# Altium PCB ChipTestBoardQFN32-r2.PcbDoc (continued)
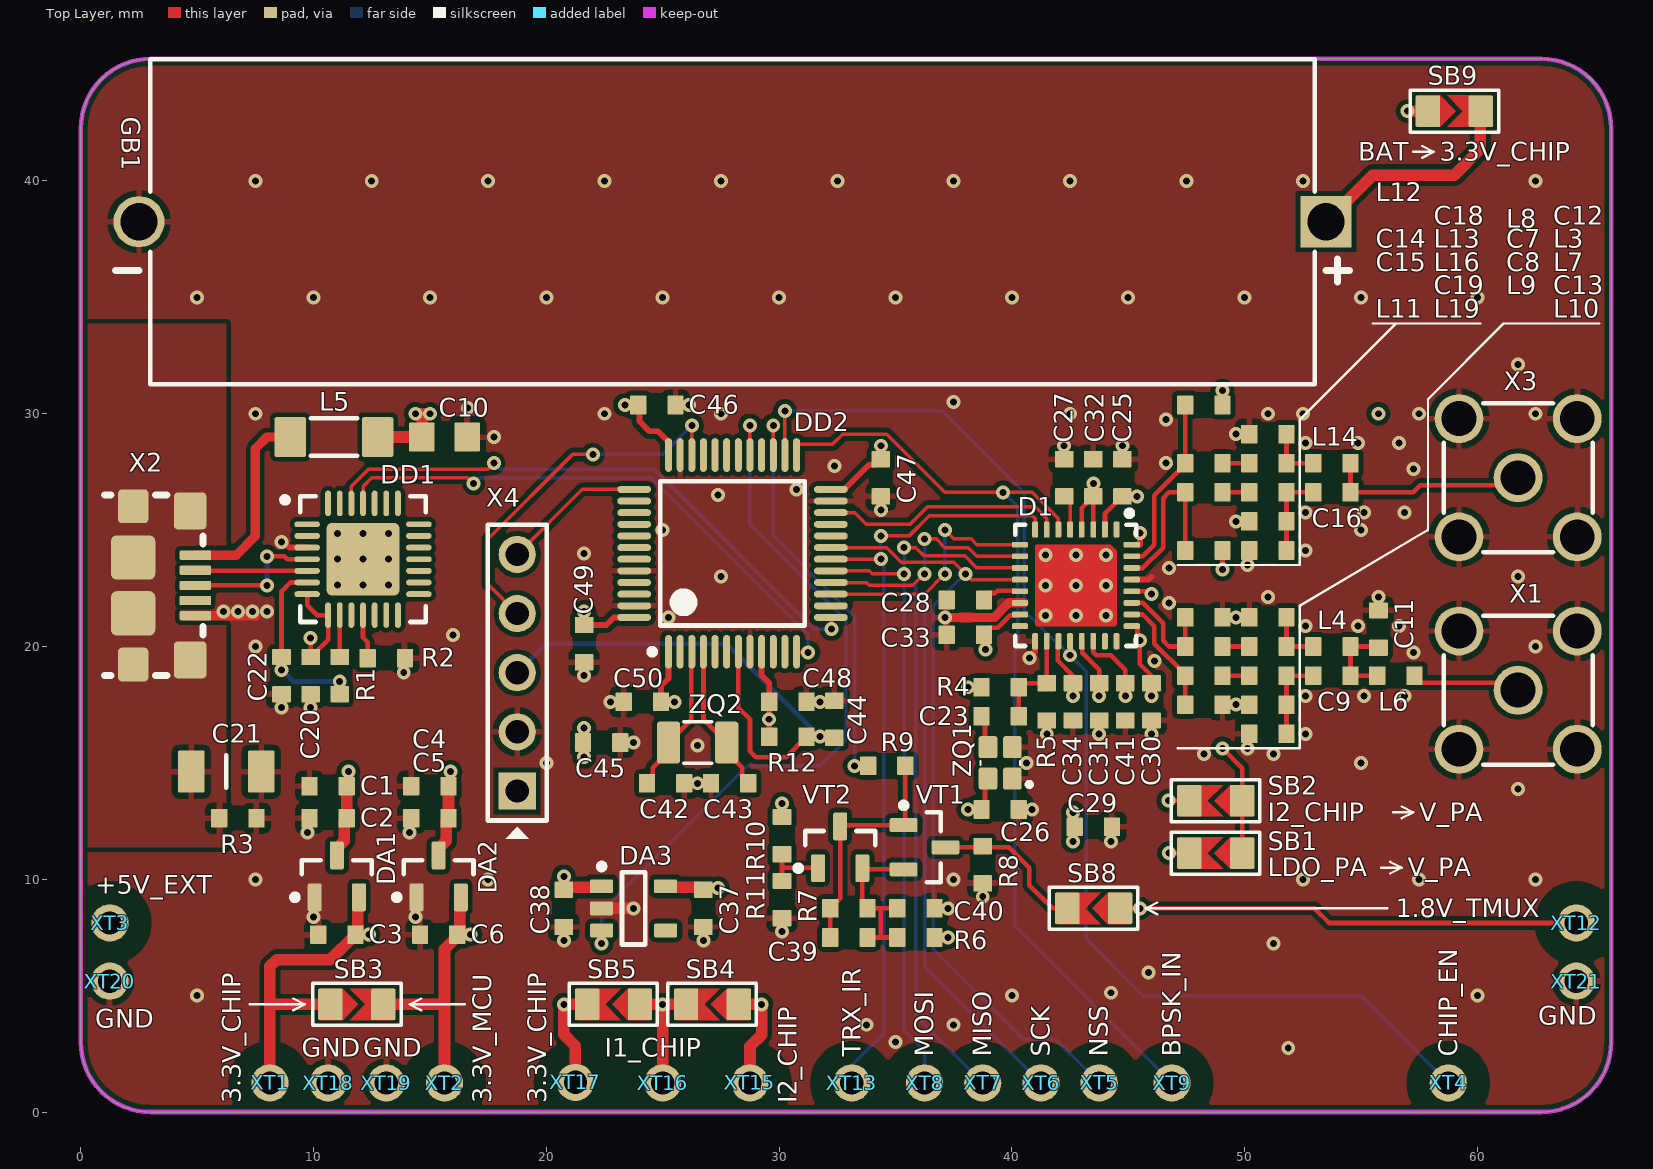
[diagram p0: Top Layer view]
## Footprints (in the part's own frame and the unit in brackets; to place one, negate y for a bottom-side part, rotate by r counter-clockwise, add the part's x,y. Pads: shape width x height; smd on the part's side, far side on the other; paste and mask are expansions set on the pad)
5-1814832-1 [mm]
  round 2.1 hole 1.5: 1(0,0) 2(-2.54,-2.54) 2(-2.54,2.54) 2(2.54,-2.54) 2(2.54,2.54)
  silkscreen extent -3.2,-3.2 3.2,3.2, body extent -3.2,-3.2 3.2,3.2, height 9.55
1981568-1 [mm]
  rrect25% 0.4x1.35 smd: 1(-1.3,2.675) 2(-0.65,2.675) 3(0,2.675) 4(0.65,2.675) 5(1.3,2.675)
  rrect25% 1.45x1.3 smd: 6(-3.4,0) 9(3.4,0)
  rrect25% 1.6x1.4 smd: 7(-3.2,2.45) 8(3.2,2.45)
  rrect25% 1.9x1.9 smd: 10(1.2,0) 11(-1.2,0)
  silkscreen extent -3.88,-1.22 3.88,3, body extent -4,-2.8 4,2.8, height 2.79
BAT14505-Board [mm] "Battery 14505 Board Mount"
  rect 2.2x2.2 hole 1.6: 1(-25.5,0)
  round 2.2 hole 1.6: 2(25.5,0)
  silkscreen extent -26.5,-6.98 26.5,6.98, body extent -25.02,-6.98 25.02,6.98
C0603 [mm] "Chip Capacitor 0603"
  rrect10% 0.7x0.8 smd: 1(-0.8,0) 2(0.8,0)
  Top Layer pour cut-out: -0.4,0.5 0.4,0.5 0.4,-0.5 -0.4,-0.5
  body extent -0.8,-0.4 0.8,0.4, height 0.8
C0805 [mm] "Chip Capacitor 0805"
  rrect10% 1.1x1.25 smd: 1(-0.975,0) 2(0.975,0)
  Top Layer pour cut-out: -0.4,0.7 0.4,0.7 0.4,-0.7 -0.4,-0.7
  body extent -1,-0.62 1,0.62, height 1
C1206 [mm] "Chip Capacitor, 2-Leads, Body 3,20x1,60mm, IPC Low Density"
  rrect10% 1.15x1.8 smd: 1(-1.5,0) 2(1.5,0)
  silkscreen extent 0,-0.7 0,0.7, body extent -1.7,-0.9 1.7,0.9, height 1.25
L0603_LQW [mm] "Chip Inductor 0603"
  rrect10% 0.7x0.8 smd: 1(-0.8,0) 2(0.8,0)
  Top Layer pour cut-out: -0.35,0.55 0.35,0.55 0.35,-0.55 -0.35,-0.55
  body extent -0.87,-0.54 0.88,0.55, height 0.93
L1806 [mm]
  rrect10% 1.35x1.7 smd: 1(-1.875,0) 2(1.875,0)
  silkscreen extent -1,-0.8 1,0.8, body extent -2.25,-0.8 2.25,0.8, height 1.58
LQFP48_L [mm] "TSQFP, 48-Leads, Body 7,00x7,00mm, Pitch 0,50mm, IPC Medium Density"
  oval 1.45x0.3 smd: 1(-4.225,2.75) 2(-4.225,2.25) 3(-4.225,1.75) 4(-4.225,1.25) 5(-4.225,0.75) 6(-4.225,0.25) 7(-4.225,-0.25) 8(-4.225,-0.75) 9(-4.225,-1.25) 10(-4.225,-1.75) 11(-4.225,-2.25) 12(-4.225,-2.75) 25(4.225,-2.75) 26(4.225,-2.25) 27(4.225,-1.75) 28(4.225,-1.25) 29(4.225,-0.75) 30(4.225,-0.25) 31(4.225,0.25) 32(4.225,0.75) 33(4.225,1.25) 34(4.225,1.75) 35(4.225,2.25) 36(4.225,2.75)
  oval 0.3x1.45 smd: 13(-2.75,-4.225) 14(-2.25,-4.225) 15(-1.75,-4.225) 16(-1.25,-4.225) 17(-0.75,-4.225) 18(-0.25,-4.225) 19(0.25,-4.225) 20(0.75,-4.225) 21(1.25,-4.225) 22(1.75,-4.225) 23(2.25,-4.225) 24(2.75,-4.225) 37(2.75,4.225) 38(2.25,4.225) 39(1.75,4.225) 40(1.25,4.225) 41(0.75,4.225) 42(0.25,4.225) 43(-0.25,4.225) 44(-0.75,4.225) 45(-1.25,4.225) 46(-1.75,4.225) 47(-2.25,4.225) 48(-2.75,4.225)
  silkscreen extent -4.35,-3.1 3.1,3.57, body extent -4.5,-4.5 4.5,4.5, height 1.6
PAD-d1.0-x1.6-y1.6 [mm]
  round 1.6 hole 1: 1(0,0)
PLS-5-2.54-PCB [mm] "Lead spase 2.54, 5-pin"
  rect 1.6x1.6 hole 1: 1(-5.08,0)
  round 1.6 hole 1: 2(-2.54,0) 3(0,0) 4(2.54,0) 5(5.08,0)
  silkscreen extent -7.12,-1.27 6.35,1.27, body extent -6.35,-1.27 6.35,1.27, height 8.54
QFN28 [mm] "QFN, 28-Leads, Body 5,00x5,00mm, Pitch 0,50mm, Thermal Pad 3,13x3,13mm, IPC Medium Density"
  oval 1.1x0.25 smd: 1(-2.4,1.5) 2(-2.4,1) 3(-2.4,0.5) 4(-2.4,0) 5(-2.4,-0.5) 6(-2.4,-1) 7(-2.4,-1.5) 15(2.4,-1.5) 16(2.4,-1) 17(2.4,-0.5) 18(2.4,0) 19(2.4,0.5) 20(2.4,1) 21(2.4,1.5)
  oval 0.25x1.1 smd: 8(-1.5,-2.4) 9(-1,-2.4) 10(-0.5,-2.4) 11(0,-2.4) 12(0.5,-2.4) 13(1,-2.4) 14(1.5,-2.4) 22(1.5,2.4) 23(1,2.4) 24(0.5,2.4) 25(0,2.4) 26(-0.5,2.4) 27(-1,2.4) 28(-1.5,2.4)
  rrect15% 3.13x3.13 smd: 29(0,0)
  silkscreen extent -3.47,-2.7 2.7,2.7, body extent -2.6,-2.6 2.6,2.6, height 1
QFN32 [mm]
  rrect50% 0.7x0.25 smd: 1(-2.4,1.75) 2(-2.4,1.25) 3(-2.4,0.75) 4(-2.4,0.25) 5(-2.4,-0.25) 6(-2.4,-0.75) 7(-2.4,-1.25) 8(-2.4,-1.75) 17(2.4,-1.75) 18(2.4,-1.25) 19(2.4,-0.75) 20(2.4,-0.25) 21(2.4,0.25) 22(2.4,0.75) 23(2.4,1.25) 24(2.4,1.75)
  rrect50% 0.25x0.7 smd: 9(-1.75,-2.4) 10(-1.25,-2.4) 11(-0.75,-2.4) 12(-0.25,-2.4) 13(0.25,-2.4) 14(0.75,-2.4) 15(1.25,-2.4) 16(1.75,-2.4) 25(1.75,2.4) 26(1.25,2.4) 27(0.75,2.4) 28(0.25,2.4) 29(-0.25,2.4) 30(-0.75,2.4) 31(-1.25,2.4) 32(-1.75,2.4)
  round 0.6 hole 0.3: 33(0,0)
  Top Layer region: -1.75,1.5 -1.5,1.75 1.7,1.75 1.75,1.7 1.75,-1.7 1.7,-1.75 -1.7,-1.75 -1.75,-1.7
  Top Layer pour cut-out: -1.875,1.875 -1.875,-1.875 1.875,-1.875 1.875,1.875
  silkscreen extent -3.22,-2.6 2.6,2.6, body extent -2.5,-2.5 2.5,2.5, height 0.94
QSMD2.0x1.6x0.7 [mm]
  rrect25% 0.95x0.8 smd: 1(-0.675,-0.525) 2(0.675,-0.525) 3(0.675,0.525) 4(-0.675,0.525)
  silkscreen extent -1.02,-1.35 0.08,0.85, body extent -1.05,-0.85 1.05,0.85, height 0.56
QSMD3.2X1.5X0.8 [mm]
  rrect25% 1x1.8 smd: 1(-1.25,0) 3(1.25,0)
  silkscreen extent -0.6,-0.9 0.6,0.9, body extent -1.6,-0.75 1.6,0.75, height 0.71
R0603 [mm] "Chip Resistor 0603"
  rrect10% 0.7x0.8 smd: 1(-0.8,0) 2(0.8,0)
  Top Layer pour cut-out: -0.35,0.55 0.35,0.55 0.35,-0.55 -0.35,-0.55
  body extent -0.8,-0.4 0.8,0.4, height 0.46
SB0805 [mm] "Solder Jumper 0805"
  rrect10% 1.05x1.35 smd: 1(-1.15,0) 2(1.125,0)
  Top Layer region: -1.6,0.675 -0.625,0.675 0.05,0 -0.625,-0.675 -1.6,-0.675
  Top Layer region: 1.55,0.675 -0.325,0.675 0.35,0 -0.325,-0.675 1.55,-0.675
  silkscreen extent -1.9,-0.9 1.9,0.9
SOT23-3L [mm] "SOT23, 3-Leads, Body 2.9x1.3mm, Pitch 0.95mm, Lead Span 2.5mm, IPC High Density"
  rrect25% 0.6x1.2 smd: 1(-0.95,-0.9) 2(0.95,-0.9) 3(0,0.9)
  silkscreen extent -1.92,-1.02 1.5,0.7, body extent -1.45,-1.4 1.45,1.4, height 1.3
SOT23-5 [mm] "SOT23, 5-Leads, Body 2,90x2,80mm, Pitch 0,95mm, IPC Medium Density"
  rrect25% 0.6x1 smd: 1(-0.95,-1.375) 2(0,-1.375) 3(0.95,-1.375) 4(0.95,1.375) 5(-0.95,1.375)
  silkscreen extent -1.92,-1.5 1.55,0.5, body extent -1.53,-1.5 1.52,1.5, height 1.45

## Part data
C1 C4 C37 C38: library part CC0603KRX7R7BB105, "CERCAP 1/16V 0603 KX7R", PartNumber=CC0603KRX7R7BB105
C2 C3 C5 C6 C20 C22 C25 C26 C27 C28 C30 C31 C32 C33 C34 C39 C40 C46 C47 C48 C49 C50: library part CC0603KRX7R7BB104, "CERCAP 0.1/16V 0603 KX7R", PartNumber=CC0603KRX7R7BB104
C7 C8 C9 C16: library part CC0603BRNPO9BN2R7, "CERCAP 2.7p/50V 0603 BNPO", PartNumber=CC0603BRNPO9BN2R7
C10: library part CL21A106KPFNNNG, "10µF ±10% 10V Ceramic Capacitor X5R 0805 (2012 Metric)", PartNumber=CL21A106KPFNNNG
C11: library part CC0603CRNPO9BN5R1, "5.1pF ±0.25pF 50V Ceramic Capacitor C0G, NP0 0603 (1608 Metric)", PartNumber=CC0603CRNPO9BN5R1
C12 C18: library part CC0603BRNPO9BN6R2, "CERCAP 6.2p/50V 0603 BNPO", PartNumber=CC0603BRNPO9BN6R2
C13 C19: library part CC0603BRNPO9BN3R6, "CERCAP 3.6p/50V 0603 BNPO", PartNumber=CC0603BRNPO9BN3R6
C14 C15: library part CC0603JRNPO9BN101, "CERCAP 100p/50V 0603 JX7R", PartNumber=CC0603JRNPO9BN101
C21: library part CC1206KKX7RCBB103, "CAP CER 10000PF 1KV X7R 1206", PartNumber=CC1206KKX7RCBB103
C23 C41: library part CC0603JRNPO9BN102, "CERCAP 1000p/50V 0603 JNPO", PartNumber=CC0603JRNPO9BN102
C29 C45: library part CC0603KRX5R6BB475, "CERCAP 4.7/10V 0603 KX5R", PartNumber=CC0603KRX5R6BB475
C42 C43: library part CC0603CRNPO9BN7R5, "CAP CER 7.5PF 50V NPO 0603", PartNumber=CC0603CRNPO9BN7R5
C44: library part CC0603KRX7R9BB103, "CAP CER 10000PF 50V X7R 0603", PartNumber=CC0603KRX7R9BB103
D1: "Waviot NB-Fi RF Transceiver QFN32", PartNumber="SWS1470-A0 QFN32"
DA1 DA2: "IC REG LINEAR 3.3V 300MA SOT23-3", PartNumber=AP2210N-3.3TRG1
DA3: "LDO Voltage Regulators 1.8V 80mA CMOS LDO w/Enable", PartNumber=AP2127K-1.8TRG1
DD1: "IC USB-TO-UART BRIDGE 28VQFN", PartNumber=CP2102-GMR
DD2: "ARM Microcontrollers - MCU Ultra-low-power ARM Cortex-M0+ MCU with 64/192-Kbytes Flash, 32 MHz CPU", PartNumber=STM32L071CBT6
GB1: library part CR14505BL-AX, "Lithium Battery CR14505 3.0V 2000mAh -30..75C", PartNumber=CR14505BL-AX
L3 L7 L8 L9: library part LQW18AN18NG00D, "FIXED IND 18NH 550MA 160 MOHM", PartNumber=LQW18AN18NG00D
L4 L10 L13 L14 L16 L19: library part LQW18AN12NG00D, "FIXED IND 12NH 600MA 130 MOHM", PartNumber=LQW18AN12NG00D
L5: library part FBMJ4516HS111-T, "FERRITE BEAD 110 OHM 1806 1LN", PartNumber=FBMJ4516HS111-T
L6: library part LQW18AN6N8C00D, "FIXED IND 6.8NH 750MA 82 MOHM", PartNumber=LQW18AN6N8C00D
L11 L12: library part LQW18AN82NG00D, "FIXED IND 82NH 250MA 600 MOHM", PartNumber=LQW18AN82NG00D
R1 R2 R11 R12: library part RC0603FR-0710KL, "RES 0603 10K 1%", PartNumber=RC0603FR-0710KL
R3 R4 R5: library part RC0603FR-071ML, "1 MOhms ±1% 0.1W, 1/10W Chip Resistor 0603 (1608 Metric) Moisture Resistant Thick Film", PartNumber=RC0603FR-071ML
R6: library part RC0603FR-0710RL, "RES SMD 10 OHM 1% 1/10W 0603", PartNumber=RC0603FR-0710RL
R7: library part RC0603FR-07100KL, "100 kOhms ±1% 0.1W, 1/10W Chip Resistor 0603 (1608 Metric) Moisture Resistant Thick Film", PartNumber=RC0603FR-07100KL
R8: library part RC0603FR-071KL, "RES 0603 1K 1%", PartNumber=RC0603FR-071KL
R9: library part RC0603JR-074K3L, "RES 0603 4.3K 5%", PartNumber=RC0603JR-074K3L
R10: library part RC0603FR-0715KL, "RES 0603 15K 1%", PartNumber=RC0603FR-0715KL
SB1 SB2 SB3 SB4 SB5 SB8 SB9: library part JS_0805, "Jumper Solder 0805"
VT1: "MOSFET MOSFT PCh -20V -2.6A 135mOhm -2.5V cpbl", PartNumber=IRLML2246TRPBF
VT2: "TRANS PNP 60V 0.6A SOT23", PartNumber=MMBT2907ALT1G
X1 X3: "CONN SMA JACK STR 50 OHM PCB", PartNumber=5-1814832-1
X2: "CONN RCPT USB2.0 MICRO B SMD R/A", PartNumber=1981568-1
X4: "PLS-5-2.54", PartNumber=PLS-5
XT1 XT2 XT3 XT4 XT5 XT6 XT7 XT8 XT9 XT12 XT13 XT15 XT16 XT17 XT18 XT19 XT20 XT21: library part PIN
ZQ1: library part NT2016SA-26.000000MHZ-NBG2, "TCXO Oscillator 4-pin", PartNumber=NT2016SA-26.000000MHZ-NBG2
ZQ2: library part "KX-327NHT 32.768 kHz", "Crystals 32.768KHz 12.5pF -40C +85C", PartNumber="KX-327NHT 32.768 kHz"

## Via types
v1: diameter 0.6, hole 0.3, Top Layer to Bottom Layer, tented both sides, 203 vias
v2: diameter 0.6, hole 0.3, Top Layer to Bottom Layer, tented bottom, 17 vias

## Nets (pads, with @x,y where several pads share a name; then routed paths per layer and width w, separated by ;. In a path a pad name is that pad's centre, name@x,y a point inside that pad or via, vN(x,y) a via of type N, cw(c..) or ccw(c..) an arc to the next point about the centre after c; other vN are vias at no path point)
1.8V_TCXO: C26.2 C37.2 DA3.5 R6.2 ZQ1.4 | length 18.7
  Top Layer w0.2: C26.2 38.845,13.145 38.845,14.195 ZQ1.4
  Top Layer w0.5: DA3.5 25.175,9.65 26.6,9.65 C37.2@26.75,9.5
  Layer 2 w0.5: v1(27.375,9.625) 36.375,9.625 ; v1(37.25,7.5) 36.375,8.375 36.375,9.625 ; v1(38.125,13) 36.375,11.25 36.375,9.625
1.8V_TMUX: C41.1 D1.22 SB8.1 XT12.1 | length 32
  Top Layer w0.2: D1.22 43.5,19.75 43.625,19.625 44.25,19.625 44.875,19 C41.1 ; SB8.1@44.625,8.75 v1(45.5,8.75) 53,8.75 53.625,8.125 XT12.1
  Layer 2 w0.2: v1(44.875,17.875) 44.875,9.375 v1(45.5,8.75)
3.3V_CHIP: C3.2 DA1.2 SB3.1 SB5.2 SB9.1 XT1.1 XT17.1 | length 95.9
  Top Layer w0.5: XT1.1 8.125,4.625 ; SB3.1 8.125,4.625 ; C3.2 10.725,6.55 8.418,6.55 8.125,6.257 8.125,4.625 ; C3.2@11.9,7.65 11.9,9.175 DA1.2 ; v1@12.375,7.575 v1(12.375,7.625) ; XT17.1@21.25,1.25 XT17.1 21.25,2.836 20.75,3.336 v1(20.75,4.625) SB5.2 ; v1(57,43) SB9.1@58,43
  Layer 2 w0.5: v1(20.75,4.625) 15.375,4.625 v1(12.375,7.625) 16.875,12.125 16.875,25.625 34.25,43 v1(57,43)
3.3V_MCU: C6.2 C45.2 C46.2 C47.2 C48.2 C49.2 C50.2 DA2.2 DD2.1 DD2.9 DD2.24 DD2.36 DD2.48 R12.2 SB3.2 X4.1 XT2.1 | length 73
  Top Layer w0.25: C49.2 22.575,20.925 22.9,21.25 DD2.48 ; C46.2@24,30.375 24,29.675 24.428,29.247 24.803,29.247 25.25,28.8 DD2.36 ; C50.2 24.925,18.3 25.25,18.625 DD2.1 ; DD2.9 29.25,18.75 29.575,18.425 C48.2 R12.2 ; DD2.24 32.8,26.75 33.85,27.8 34.075,27.8 34.375,28.1 C47.2@34.375,28.125
  Top Layer w0.5: SB3.2@12.75,4.625 15.625,4.625 ; XT2.1 15.625,4.625 ; C6.2@16.275,7.775 16.275,9.175 DA2.2 ; v1(16.75,7.625) 16.225,7.625 16.075,7.475 16.075,7.45 15.625,7 15.625,4.625
  Layer 2 w0.5: v1(16.75,7.625) 21.625,12.5 21.625,13.5 ; X4.1 21.58,13.795 21.625,13.75 v1(21.625,15.25) ; v1(21.625,16.5) 21.625,16.875 ; v1(21.625,21.5) 22.5,21.5 ; v1(23.375,30.375) 23.375,28.625 ; v1(25.5,17.625) 25.5,16.875 ; v1@29.625,16.875 25.5,16.875 ; v1(34.375,28.625) 23.375,28.625 ; 21.625,16.875 25.5,16.875 ; 21.625,16.875 21.625,17.625 22.5,18.5 22.5,21.5 ; 22.5,21.5 22.5,27.75 23.375,28.625
  other v1: 29.575,16.875
+5V: C1.2 C2.2 C4.2 C5.2 C10.2 C20.2 DA1.3 DA2.3 DD1.7 DD1.8 L5.2 XT3.1 | length 50.9
  Top Layer w0.2: DD1.7 9.725,21.775 10.15,21.35 DD1.8 10.625,20.3 C20.2 v1(9.875,20.375)
  Top Layer w0.5: DA1.3@11,11.125 11,11.325 11.325,11.65 11.325,12.525 C2.2 ; C2.2@11.375,12.625 11.425,12.675 C1.2 ; L5.2 C10.2@14.625,29 ; C10.2 14.669,29.019 v1@14.669,30 ; DA2.3@15.375,10.875 15.375,11.325 15.7,11.65 15.7,12.525 C5.2 ; C5.2@15.75,12.625 15.8,12.675 C4.2
  Layer 2 w0.5: XT3.1 7.75,14.625 v1(11.5,14.625) 14.669,14.625 ; v1(9.875,20.375) 14.625,20.375 ; v1@14.375,29.973 v1(14.375,30) ; 14.669,29.679 14.669,14.625 ; v1(15.875,14.625) 14.669,14.625
  other v1: 15,30
BACKLIGHT: DD2.10
BPSK: D1.6 DD2.25 XT9.1 | length 42.3
  Top Layer w0.15: DD2.25 30.75,28.654 30.796,28.7 32.314,28.7 32.738,29.125 34.625,29.125 37.125,26.625 v1(39.625,26.625) 40.875,26.625 42,25.5 D1.6
  Bottom Layer w0.15: v1(39.625,26.625) 40.25,26 40.25,19.95 40.125,19.825 40.125,8 XT9.1
CHIP_EN: D1.20 DD2.26 XT4.1 | length 52.1
  Top Layer w0.15: DD2.26 v1(30.25,30.125)
  Bottom Layer w0.15: v1(30.25,30.125) 37.014,30.125 40.525,26.614 40.525,21.543 41.818,20.25 41.875,20.25 v1(42.5,19.625) 43.188,18.937 43.188,7.437 45.625,5 55,5 XT4.1
DFT_EN: D1.7 DD2.22 | length 10.5
  Top Layer w0.15: DD2.22 33.25,25.75 33.75,25.25 35.625,25.25 36.375,26 41,26 41.5,25.5 D1.7 D1.7@41.5,25
EARTH: C21.1 R3.2 X2.6 X2.7 X2.8 X2.9 X2.10 X2.11
GND: C1.1 C2.1 C3.1 C4.1 C5.1 C6.1 C10.1 C11.1 C12.2 C13.2 C18.2 C19.2 C20.1 C21.2 C22.1 C25.1 C26.1 C27.1 C28.1 C29.1 C30.1 C31.1 C32.1 C33.1 C34.1 C37.1 C38.1 C40.1 C41.2 C42.1 C43.1 C44.1 C45.1 C46.1 C47.1 C48.1 C49.1 C50.1 D1.14 D1.17 D1.29 D1.32 D1.33 DA1.1 DA2.1 DA3.2 DD1.3 DD1.29 DD2.8 DD2.23 DD2.35 DD2.44 DD2.47 GB1.2 L8.1 L9.1 L10.1 L19.1 R2.1 R3.1 R5.1 R8.1 R11.1 X1.2 X2.5 X3.2 X4.2 XT18.1 XT19.1 XT20.1 XT21.1 ZQ1.1 ZQ1.2 | length 11.5
  Top Layer w0.25: v1(8.625,24.5) 8.72,24.5 8.97,24.25 DD1.3 ; v1(40.75,19.5) 40.75,19.571 41,19.821 D1.17 ; D1.29 45.5,22.875 45.875,22.875 46,23 ; D1.32@45.2,24.375 45.5,24.375 v1(45.5,24.875)
  Top Layer w0.4: X2.5 7.473,21.325 v1@7.5,21.298 ; v1@37.162,21.288 v1(37.125,21.25) 39.239,21.25 39.864,21.875 D1.14 D1.14@40.525,21.875 ; C28.1@37.162,21.963 C28.1
  Top Layer w0.5: DA3.2 v1(23.75,8.75)
  other v1: 51.875,2.75 35,3 33.75,3.75 37.5,3.75 5,5 40,5 60,5 44.25,5.125 45.875,6 51.25,7.25 20.75,7.375 26.75,7.375 30.125,7.75 10,8.375 14.375,8.375 37.25,8.75 38.75,9.25 7.5,10 17.5,10 37.5,10 52.5,10 57.5,10 62.5,10 44.25,11.625 9.75,12 14.125,12 40.875,13 61.75,13.875 26.5,14.125 20,15 40.625,15 55,15 48.25,15.375 51.25,15.375 50.125,15.625 26.5,15.75 23.75,15.875 41.5,16.25 43.75,16.25 46,16.25 52.625,16.25 8.625,17.375 9.875,17.375 49.625,17.5 22.75,17.625 31.75,17.625 52.625,17.875 55.125,17.875 56.875,17.875 21.625,18.75 13.875,18.875 46.125,19.375 57.25,19.75 7.5,20 62.5,20 16,20.5 52.625,20.875 54.875,20.875 56.625,20.875 25.25,21.25 49.625,21.25 6.125,21.5 6.75,21.5 7.375,21.5 8,21.5 46.75,21.875 51,22.125 55.75,22.125 27.5,23 61.75,23 46.75,23.375 50.125,23.5 21.625,24 52.625,24.125 25,25 55,25 49.625,25.375 52.625,25.75 55.125,25.75 56.875,25.75 34.375,25.875 27.375,26.5 30.75,26.75 57.25,27.625 32.375,27.75 46.625,27.875 42.25,28.625 44.75,28.625 52.625,28.75 54.875,28.75 56.625,28.75 17.75,29 49.625,29.125 46.625,29.75 7.5,30 22.5,30 27.5,30 42.5,30 51,30 52.5,30 57.5,30 62.5,30 16.625,30.25 26.125,30.375 37.5,30.5 61.75,32.125 5,35 10,35 15,35 20,35 25,35 30,35 35,35 40,35 45,35 50,35 55,35 60,35 7.5,40 12.5,40 17.5,40 22.5,40 27.5,40 32.5,40 37.5,40 42.5,40 47.5,40 52.5,40 62.5,40
  other v2: 41.45,21.325 42.75,21.325 44.05,21.325 41.45,22.625 44.05,22.625 11.025,22.65 12.125,22.65 13.225,22.65 11.025,23.75 12.125,23.75 13.225,23.75 41.45,23.925 42.75,23.925 44.05,23.925 11.025,24.85 12.125,24.85 13.225,24.85
I1_CHIP: C38.2 DA3.1 R4.2 R10.2 SB4.2 SB5.1 XT16.1 | length 33.9
  Top Layer w0.2: v1(38.125,18.25) R4.2
  Top Layer w0.5: C38.2@20.75,9.625 20.775,9.65 22.325,9.65 DA3.1 ; SB5.1 v1(25,4.625) ; XT16.1 v1(25,4.625) ; SB4.2@26.125,4.625 SB4.2 v1(25,4.625)
  Layer 2 w0.5: v1(20.75,10.125) 25,10.125 ; v1(25,4.625) 25,10.125 ; v1(38.125,18.25) 35.125,18.25 v1(30.125,13.25) 28.125,13.25 25,10.125
I2_CHIP: C29.2 C30.2 C31.2 C32.2 C33.2 C34.2 D1.3 D1.4 D1.15 D1.19 D1.21 D1.25 D1.28 SB2.2 SB4.1 XT15.1 | length 66.8
  Top Layer w0.2: C33.2 38.8,20.55 39.05,20.8 39.39,20.8 39.94,21.35 40.35,21.35 D1.15@40.375,21.375 ; D1.19 41.975,20.2 41.975,19.4 42.625,18.75 C34.2 ; D1.21@43,20.25 43.025,20.225 43.025,19.725 43.75,19 C31.2 ; D1.4 43,25.95 43.2,26.15 43.2,26.2 43.45,26.45 C32.2 ; D1.3 C32.2 ; C32.2@43.6,26.45 43.55,26.45 C32.2 ; D1.25 45.375,20.875 45.4,20.85 45.4,20.458 45.5,20.358 v1(45.5,20.25) 45.5,19.25 46,18.75 C30.2@46,18.375 ; D1.28 v1@46,22.375 ; v1(46.725,13.375) SB2.2
  Top Layer w0.5: SB4.1 v1(29.25,4.625) 29.25,3.323 28.75,2.823 XT15.1
  Layer 2 w0.2: v1(45.5,20.25) 46,20.75 v1(46,22.25) ; v1(46,17.875) 46.725,17.15 v1(46.725,13.375)
  Layer 2 w0.5: v1(29.25,4.625) 37.125,4.625 42.625,10.125 v1@42.625,11.5 ; v1@42.625,12.75 v1(42.625,12.875) v1(42.625,17.875) ; v1(43.5,27) 42,27 38.875,23.875 v1(38.875,19.875) 38.875,19 40,17.875 v1(42.625,17.875) ; v1(46,17.875) 45.25,18.625 44.5,18.625 v1(43.75,17.875) v1(42.625,17.875)
  other v1: 42.625,11.625
LCD_A0: DD2.20
LCD_CS: DD2.40
LCD_MOSI: DD2.39
LCD_PWR: DD2.6
LCD_RESET: DD2.42
LCD_SCK: DD2.41
LDO_PA: C25.2 D1.2 SB1.2 | length 19.9
  Top Layer w0.2: D1.2 44,25.7 C25.2 v1(45.375,26.45) v1@45.5,26.45 ; v1(46.75,11.125) SB1.2@47.75,11.125
  Layer 2 w0.2: v1(45.375,26.45) 47.375,24.45 47.375,11.75 v1(46.75,11.125)
NetC7_1: C7.1 D1.27 L8.2 | length 4.8
  Top Layer w0.2: D1.27 45.625,21.875 46.5,21 46.5,20.25 46.75,20 C7.1 L8.2
NetC7_2: C7.2 L3.1 | length 1.1
  Top Layer w0.2: C7.2 L3.1
NetC8_1: C8.1 D1.26 L9.2 | length 5.1
  Top Layer w0.2: D1.26 45.625,21.375 46.125,20.875 46.125,20.125 47.45,18.8 C8.1 L9.2
NetC8_2: C8.2 L7.1 | length 1.1
  Top Layer w0.2: C8.2 L7.1
NetC9_1: C9.1 C13.1 L7.2 L10.2 | length 3.7
  Top Layer w0.2: L10.2 C13.1 L7.2 C9.1
NetC9_2: C9.2 C11.2 L4.2 L6.1 | length 3.6
  Top Layer w0.2: L4.2@54.55,19.95 C9.2 L6.1@55.75,18.75 ; L4.2 C11.2@55.75,20
NetC12_1: C12.1 L3.2 L4.1 | length 2.4
  Top Layer w0.2: C12.1 L3.2 L4.1
NetC14_1: C14.1 D1.31 L12.1 | length 7.7
  Top Layer w0.2: D1.31 45.625,23.875 46.125,24.375 46.125,26.5 47.45,27.825 C14.1 L12.1
NetC14_2: C14.2 L13.1 | length 1.1
  Top Layer w0.2: C14.2 L13.1
NetC15_1: C15.1 D1.30 L11.1 | length 7.4
  Top Layer w0.2: D1.30 45.625,23.375 46.5,24.25 ; 46.5,24.25 46.5,26.375 46.75,26.625 47.1,26.625 C15.1 L11.1
NetC15_2: C15.2 L16.1 | length 1.1
  Top Layer w0.2: C15.2 L16.1
NetC16_1: C16.1 C19.1 L16.2 L19.2 | length 3.6
  Top Layer w0.2: L19.2 C19.1 L16.2 C16.1
NetC16_2: C16.2 L14.2 X3.1 | length 8.7
  Top Layer w0.2: C16.2@54.5,26.625 54.55,26.675 L14.2 ; C16.2 57.25,26.625 57.55,26.925 61.425,26.925 X3.1
NetC18_1: C18.1 L13.2 L14.1 | length 2.4
  Top Layer w0.2: C18.1 L13.2 L14.1
NetC23_1: C23.1 D1.18 R4.1 R5.2 | length 4.4
  Top Layer w0.2: C23.1 40.3,18.175 R4.1@40.375,18.25 ; R4.1 40.475,18.425 R5.2 D1.18
NetC23_2: C23.2 ZQ1.3 | length 1.4
  Top Layer w0.2: C23.2 38.845,16.855 38.845,15.805 ZQ1.3
NetC27_2: C27.2 D1.5 | length 1.5
  Top Layer w0.15: C27.2 42.5,26.2 D1.5
NetC28_2: C28.2 D1.13 | length 1.8
  Top Layer w0.2: C28.2@38.675,22 C28.2@38.675,22.05 ; C28.2@38.8,22.05 39.05,22.3 39.283,22.3 39.383,22.4 40.35,22.4 D1.13@40.375,22.375
NetC39_1: C39.1 R7.1 R9.2 VT1.1 VT2.3 | length 10.4
  Top Layer w0.2: C39.1@32.125,7.375 32.2,7.45 R7.1 32.625,9.175 32.625,12.25 32.7,12.325 VT1.1 ; VT1.1@35.375,12.375 35.425,12.425 R9.2
NetC39_2: C39.2 C40.2 R6.1 R7.2 VT1.2 VT2.2 | length 7.6
  Top Layer w0.2: VT2.2 VT2.2@33.58,10.47 ; C39.2 34.375,7.5 ; R7.2 R7.2@33.875,8.75 ; 34.375,8.75 34.375,7.5 ; R6.1@35.125,7.5 34.375,7.5 ; C40.2@35.125,8.75 R7.2@33.875,8.75 ; VT1.2@35.375,10.375 35.325,10.425 33.625,10.425 VT2.2@33.58,10.47 ; VT2.2@33.58,10.47 33.58,9.045 R7.2@33.875,8.75
NetC42_2: C42.2 DD2.3 ZQ2.1 | length 6.4
  Top Layer w0.2: C42.2 24.575,14.375 24.575,14.799 25.25,15.474 ZQ2.1 26.231,16.856 26.231,19.756 DD2.3
NetC43_2: C43.2 DD2.4 ZQ2.3 | length 6.4
  Top Layer w0.2: DD2.4 26.75,16.875 ZQ2.3 27.75,15.474 28.425,14.799 28.425,14.375 C43.2
NetDD1_9: DD1.9 R1.1 | length 1.8
  Top Layer w0.2: R1.1 DD1.9
NetDD1_11: DD1.11 R2.2 | length 1.9
  Top Layer w0.2: DD1.11 12.125,20.375 12.325,20.175 R2.2
NetGB1_1: GB1.1 SB9.2 | length 9.5
  Top Layer w0.5: GB1.1 55.5,40.25 59,40.25 60.125,41.375 SB9.2@60.125,43
NetL5_1: L5.1 X2.1 | length 8.4
  Top Layer w0.4: X2.1 6.675,23.925 7.5,24.75 7.5,28.5 8,29 L5.1
NetL6_2: L6.2 X1.1 | length 4.7
  Top Layer w0.2: L6.2 57.3,18.7 57.55,18.45 61.425,18.45 X1.1
NetR8_2: R8.2 SB8.2 VT1.3 | length 7.5
  Top Layer w0.2: VT1.3 39.875,11.375 40.75,10.5 40.75,9.75 41.75,8.75 ; 41.25,9.25 41.75,8.75 ; SB8.2 41.75,8.75
NetR10_1: R10.1 R11.2 VT2.1 | length 2.7
  Top Layer w0.2: R11.2 30.125,10.5 ; R10.1@30.125,11.125 30.125,10.5 ; VT2.1@31.625,10.5 30.125,10.5
NRST: C44.2 DD2.7 R12.1 X4.3 | length 23.7
  Top Layer w0.2: DD2.7 28.25,17.375 28.75,16.875 28.75,15.5 29,15.25 30.3,15.25 R12.1 v1(31.75,16.125) C44.2@32.375,16.125
  Bottom Layer w0.2: X4.3 20,20.125 27.75,20.125 v1(31.75,16.125)
PA1: DD2.11
PA9: DD2.30
PA10: DD2.31
PA11: DD2.32
PA12: DD2.33
PA15: DD2.38
PB9: DD2.46
PB10: DD2.21
POWERLED: DD2.5
SB1: DD2.14
SB2: DD2.2
SB3: DD2.43
SB4: DD2.45
SPI1_MISO: D1.10 DD2.16 XT7.1 | length 33.4
  Top Layer w0.15: DD2.16@32.25,22.75 33.75,22.75 33.875,22.625 35.75,22.625 v1(36.25,23.125) ; v1(36.25,24.625) 36.75,24.625 37.125,24.25 38.125,24.25 38.5,23.875 D1.10 D1.10@40.375,23.875
  Bottom Layer w0.15: v1(36.25,24.625) v1(36.25,23.125) 35.875,22.75 35.875,4.125 XT7.1
SPI1_MOSI: D1.11 DD2.17 XT8.1 | length 31.9
  Top Layer w0.15: DD2.17 33.875,23.25 34,23.125 v1(35.375,23.125) ; v1(35.375,24.25) 35.875,24.25 36.225,23.9 37.975,23.9 38.5,23.375 D1.11 D1.11@40.375,23.375
  Bottom Layer w0.15: v1(35.375,24.25) v1(35.375,23.125) 35.375,3.5 36.25,2.625 XT8.1
SPI1_NSS: D1.12 DD2.19 XT5.1 | length 35.2
  Top Layer w0.15: DD2.19@32.25,24.25 33.701,24.25 ; 33.701,24.25 34.625,24.25 35.25,23.625 37.5,23.625 v1(38,23.125) 38.25,22.875 D1.12
  Bottom Layer w0.15: v1(38,23.125) 36.625,21.75 36.625,21.625 36.625,7 40.5,3.125 41.875,3.125 43.276,1.724 43.849,1.724 XT5.1@43.875,1.75 ; XT5.1@43.375,1.25 XT5.1
SPI1_SCK: D1.9 DD2.15 XT6.1 | length 35
  Top Layer w0.15: DD2.15 36.25,22.25 v1(37.125,23.125) v1@37.187,23.187 ; v1(37.125,25) 37.5,24.625 38.25,24.625 38.5,24.375 D1.9
  Bottom Layer w0.15: v1(37.125,25) v1(37.125,23.125) 36.25,22.25 36.25,6.25 XT6.1
SWCLK: DD2.37 X4.5 | length 6.3
  Top Layer w0.15: X4.5 21.545,26.75 DD2.37 DD2.37@23.875,26.75
SWDIO: DD2.34 X4.4 | length 15.8
  Top Layer w0.15: X4.4 17.5,22.665 17.5,24.625 21.125,28.25 v1(22,28.25) ; DD2.34 v1(26.25,29.5)
  Bottom Layer w0.15: v1(22,28.25) 25,28.25 v1(26.25,29.5)
TCXO_EN: DA3.3 DD2.29 | length 31.4
  Top Layer w0.15: DD2.29 v1(28.75,29.5)
  Bottom Layer w0.15: v1(22.375,7.25) 22.375,8.625 28.625,14.875 31.75,14.875 32.875,16 32.875,21.125 28.75,25.25 v1(28.75,29.5)
TMUX_NPWR: DD2.27 R9.1 | length 17.8
  Top Layer w0.15: DD2.27 v1(29.75,29.5) ; v1(33.25,14.875) R9.1@33.75,14.875
  Bottom Layer w0.15: v1(29.75,29.5) 29.75,24.75 33.25,21.25 v1(33.25,14.875)
TRX_IRQ: D1.8 DD2.18 XT13.1 | length 33.9
  Top Layer w0.15: DD2.18 v1(34.375,23.75) v1@34.5,23.75 ; v1(34.375,24.75) 35.582,24.75 36.457,25.625 40.875,25.625 41,25.5 D1.8@41,25
  Bottom Layer w0.15: XT13.1@33,1.25 33,1.875 34.5,3.375 v1@34.5,23.75 ; v1(34.375,23.75) v1(34.375,24.75)
URX: DD1.26 DD2.13 | length 25.2
  Top Layer w0.15: DD1.26 11.625,26.875 12.375,27.625 17.5,27.625 v1(17.75,27.875) ; DD2.13 32.25,21.225 v1(32.25,20.75)
  Bottom Layer w0.15: v1(17.75,27.875) 18,27.625 24.625,27.625 31.5,20.75 v1(32.25,20.75)
USB_N: DD1.5 X2.2 | length 4.9
  Top Layer w0.2: X2.2@4.875,23.25 DD1.5@9.75,23.25
USB_P: DD1.4 X2.3 | length 6.2
  Top Layer w0.2: X2.3@4.875,22.625 X2.3 v1(8,22.625) ; v1(8,23.875) 8.75,23.875 8.875,23.75 DD1.4
  Bottom Layer w0.2: v1(8,22.625) v1(8,23.875)
UTX: DD1.25 DD2.12 | length 24.3
  Top Layer w0.15: DD1.25 12.125,26.875 12.5,27.25 16.625,27.25 v1(16.875,27) ; DD2.12 30.775,19.75 v1(31.25,19.75)
  Bottom Layer w0.15: v1(16.875,27) 17.125,27.25 24.5,27.25 31.25,20.5 v1(31.25,19.75)
V_PA: L11.2 L12.2 SB1.1 SB2.1 | length 21
  Top Layer w0.2: v1(49.05,15.625) 49.9,14.775 ; v1(49.05,23.313) L11.2 ; SB1.1 SB2.1 49.9,14.75
  Layer 2 w0.2: v1(49.05,15.625) v1(49.05,23.313) v1(49.05,31)
VDD_CP2102: C22.2 DD1.6 R1.2 | length 7.9
  Top Layer w0.2: v1(8.625,19) C22.2 8.625,22.375 9,22.75 DD1.6@9.75,22.75 ; R1.2 v1(11.125,18.5)
  Bottom Layer w0.2: v1(8.625,19) 9.125,18.5 v1(11.125,18.5)
pads on no net: D1.1 D1.16 D1.23 D1.24 DA3.4 DD1.1 DD1.2 DD1.10 DD1.12 DD1.13 DD1.14 DD1.15 DD1.16 DD1.17 DD1.18 DD1.19 DD1.20 DD1.21 DD1.22 DD1.23 DD1.24 DD1.27 DD1.28 DD2.28 X2.4
copper on no net:
  other v1: 55.75,30

## Polygon pours and split planes (outlines as drawn)
GND on Top Layer "Top Layer-GND" (solid, remove dead copper, pour order 2): 3,45.25 ccw(c3,42.25) 0,42.25 0,3 ccw(c3,3) 3,0 62.5,0 ccw(c62.5,3) 65.5,3 65.5,42.234 ccw(c62.5,42.25) 62.5,45.25
EARTH on Top Layer "Top Layer-EARTH" (solid, pour order 0): 0.125,33.875 6.25,33.875 6.25,11.375 0.125,11.375
no net on Top Layer "Top Layer-No Net" (solid, pour order 10): 40.75,24.625
GND on Layer 1 "Layer1-GND" (solid, remove dead copper, pour order 4): 3,45.25 ccw(c3,42.25) 0,42.25 0,3 ccw(c3,3) 3,0 62.5,0 ccw(c62.5,3) 65.5,3 65.5,42.234 ccw(c62.5,42.25) 62.5,45.25
GND on Layer 2 "Layer 2-GND" (solid, remove dead copper, pour order 6): 3,45.25 ccw(c3,42.25) 0,42.25 0,3 ccw(c3,3) 3,0 62.5,0 ccw(c62.5,3) 65.5,3 65.5,42.234 ccw(c62.5,42.25) 62.5,45.25
GND on Bottom Layer "Bottom Layer-GND" (solid, remove dead copper, pour order 8): 3,45.25 ccw(c3,42.25) 0,42.25 0,3 ccw(c3,3) 3,0 62.5,0 ccw(c62.5,3) 65.5,3 65.5,42.234 ccw(c62.5,42.25) 62.5,45.25

## Keep-outs
Keep-Out Layer:
  the board outline again, w0.2

## Other copper
Top Layer:
  region net +5V: 15.125,29.75 15.125,30.25 14.25,30.25 14.25,29.75
Layer 2:
  region net +5V: 15.125,29.75 15.125,30.25 14.25,30.25 14.25,29.75

## Silkscreen, mask and mechanical layers (free items; w line width, h text height)
Top Overlay:
  lines w0.1: 7.25,4.625 9.625,4.625 ; 9.125,4.375 9.625,4.625 ; 9.125,4.875 9.625,4.625 ; 14.625,4.375 14.125,4.625 ; 14.625,4.875 14.125,4.625 ; 16.5,4.625 14.125,4.625 ; 46.25,8.5 45.75,8.75 ; 46.25,9 45.75,8.75 ; 47.125,15.625 52.375,15.625 52.375,21.75 57.875,25 57.875,30.625 61.125,33.875 65.25,33.875 ; 47.125,23.5 52.375,23.5 52.375,29.75 56.5,33.875 ; 55.5,33.875 60.125,33.875 ; 55.875,10.5 56.75,10.5 ; 56.125,8.75 45.75,8.75 ; 56.25,10.25 56.75,10.5 ; 56.25,10.75 56.75,10.5 ; 56.375,12.875 57.25,12.875 ; 56.75,12.625 57.25,12.875 ; 56.75,13.125 57.25,12.875 ; 57.25,41.25 58.125,41.25 ; 57.625,41 58.125,41.25 ; 57.625,41.5 58.125,41.25
  text "BAT" at 54.875,40.875 h0.8
  text "3.3V_CHIP" at 58.375,40.875 h0.8
  text "I2_CHIP" at 51,12.5 h0.8
  text "V_PA" at 57.5,12.5 h0.8
  text "LDO_PA" at 51,10.125 h0.8
  text "V_PA" at 57,10.125 h0.8
Bottom Overlay:
  drawing of 6 lines, arcs and shapes, not listed
  text "ChipTestBoardQFN32-r2" at 36.75,35.5 h1
  text "22.12.19" at 28.625,34 h1
Top Assembly:
  lines w0.1: 39.75,22.625 45.75,22.625 ; 42.75,19.625 42.75,25.625